# Altium PCB CW308_PCB.PcbDoc (part 1 of 2)
Units mil, origin at the board's own origin, x right, y up, seen from the top; angles counter-clockwise.
Board outline 6000 x 3900 mil, 4 copper layers (Component Side, Ground Plane, Internal Signal 3, Solder Side), stack 33.234 mil thick; 176 components, 106 nets, 718 pads, 307 vias.
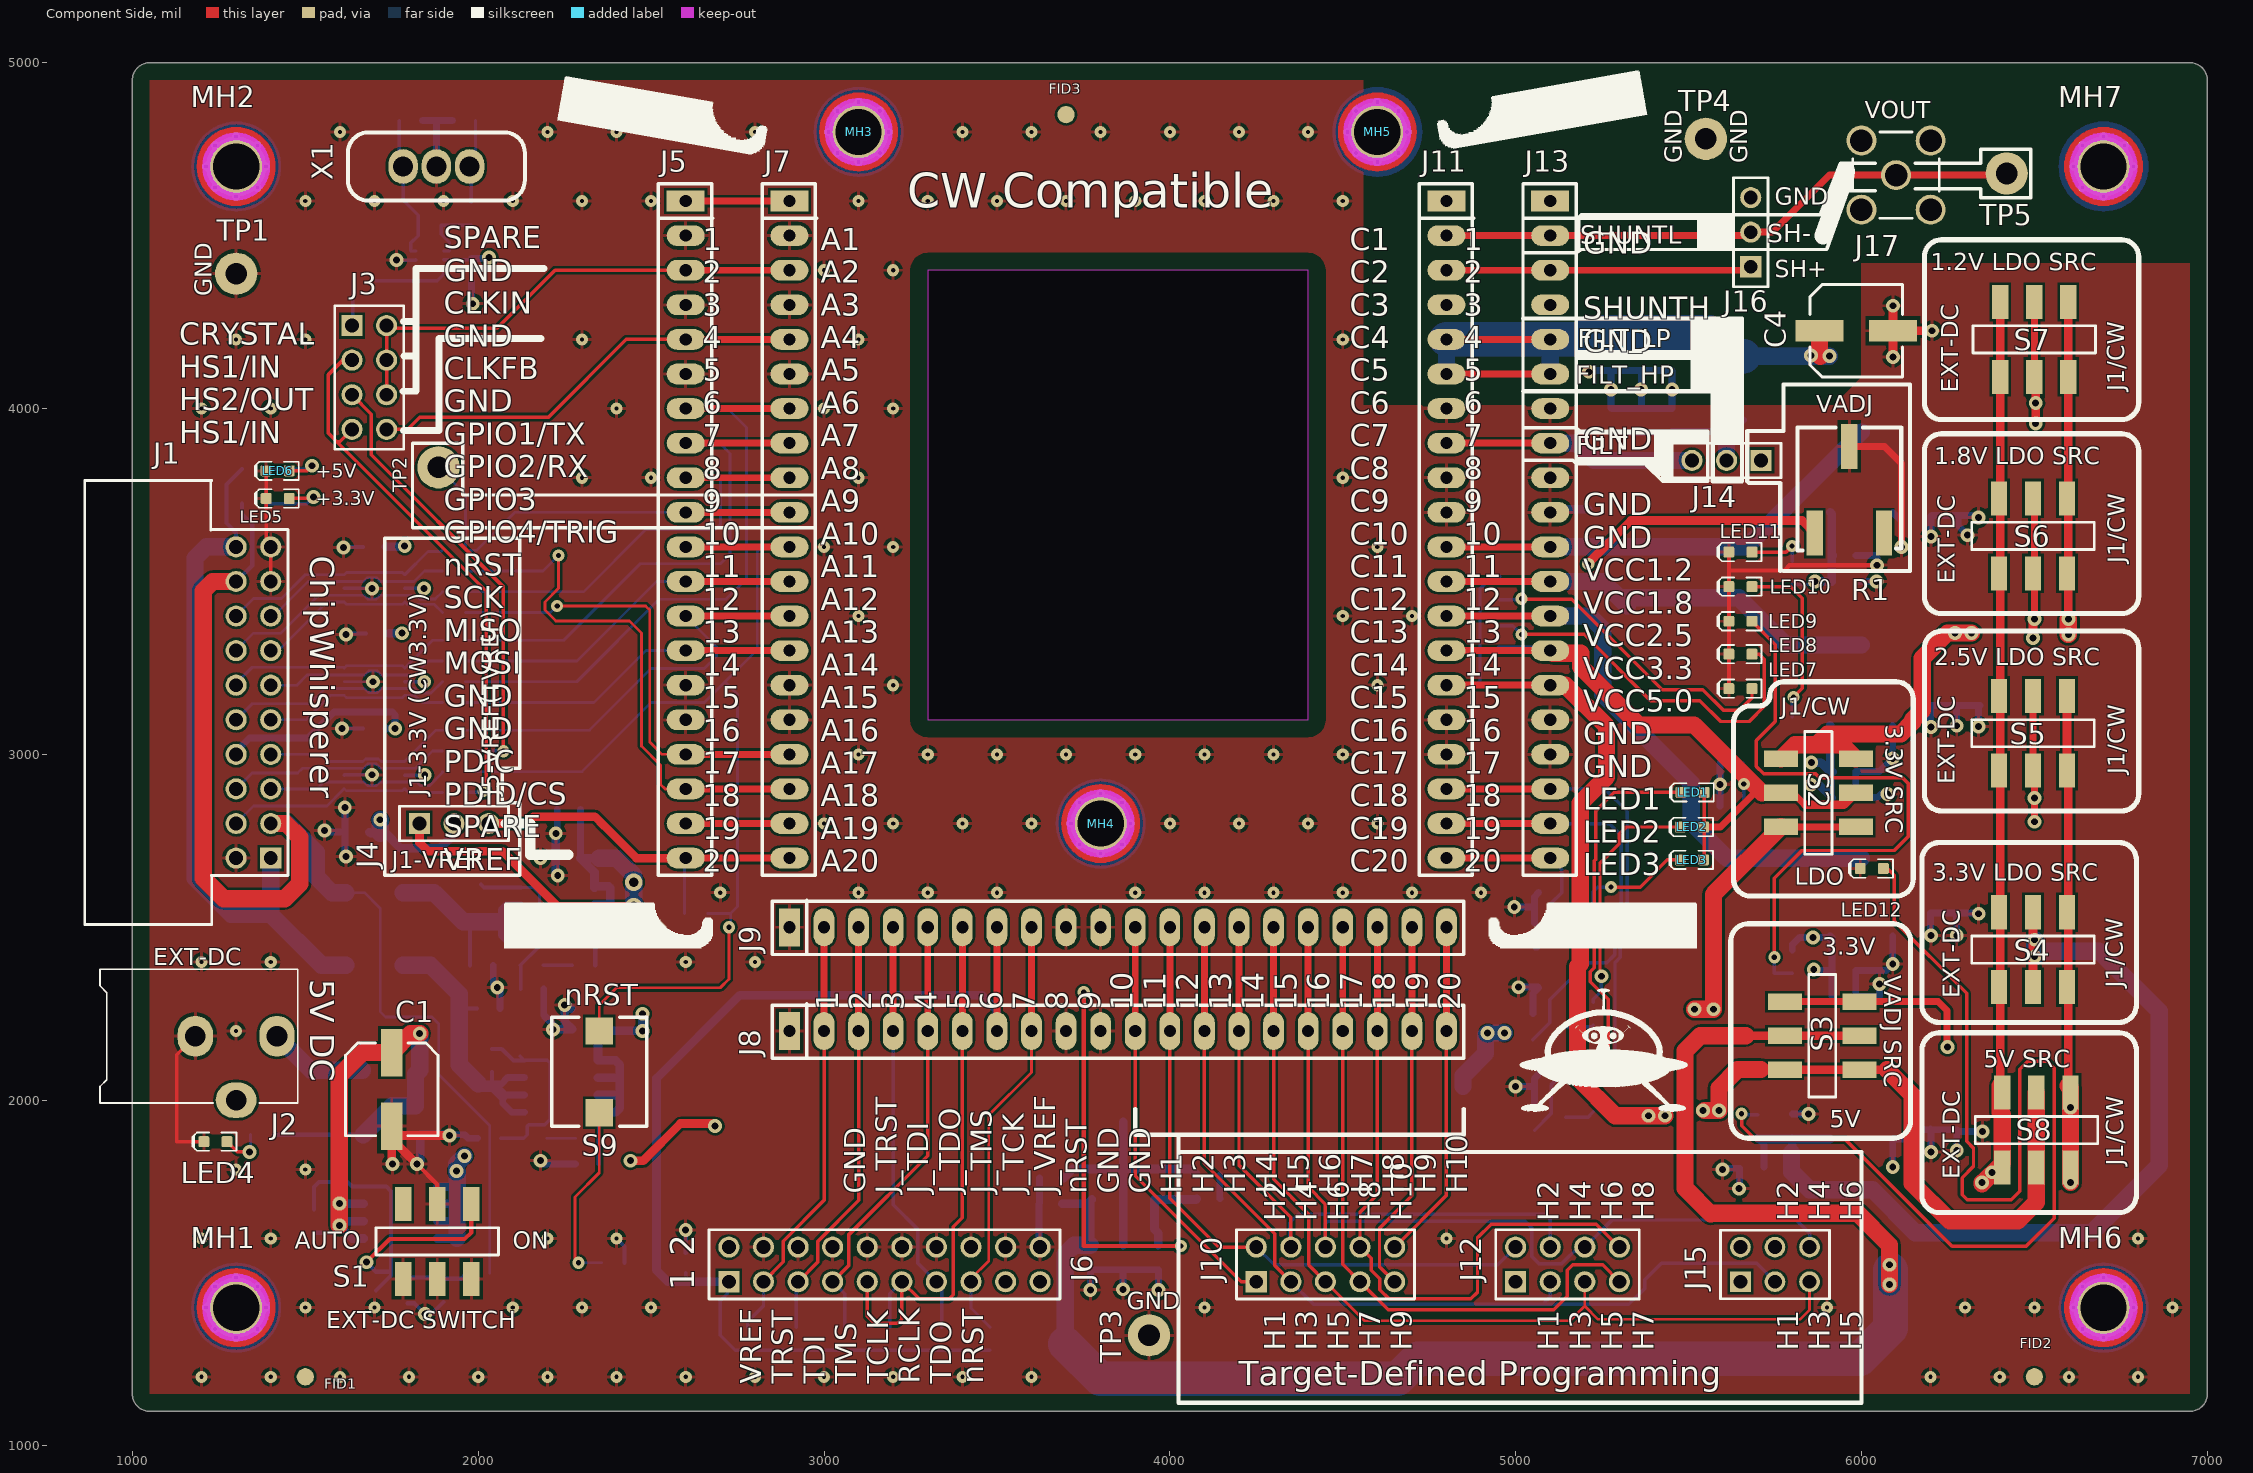
[diagram p0: Component Side view]
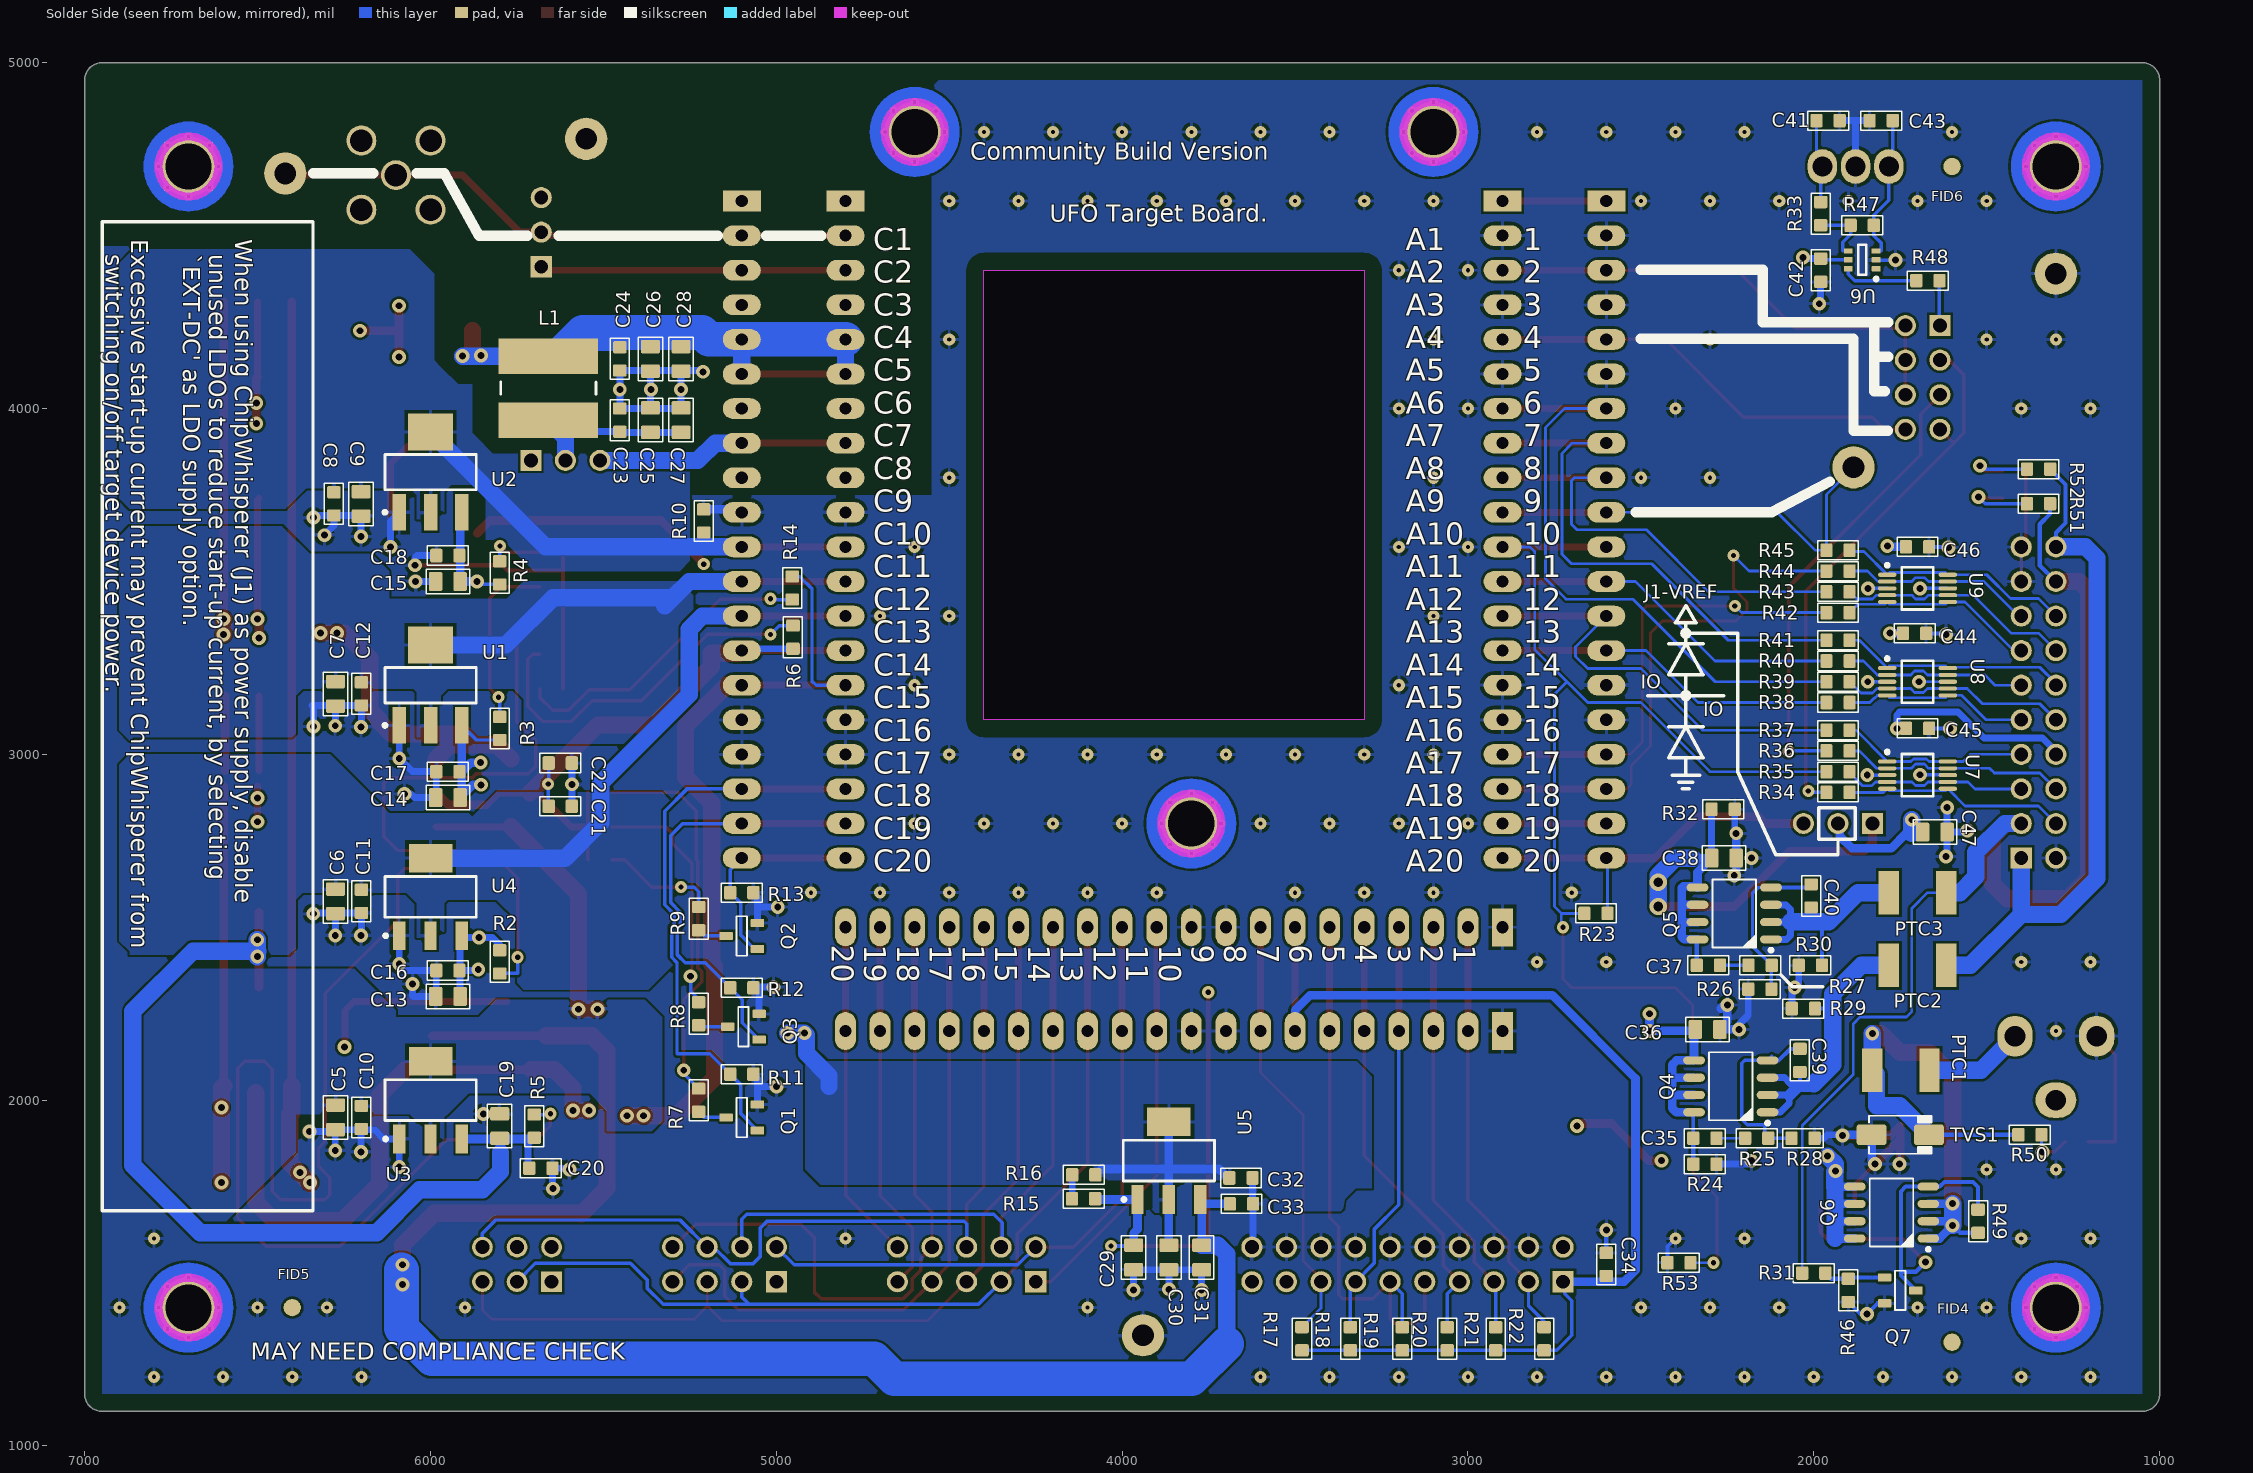
[diagram p1: Solder Side view, seen from below]
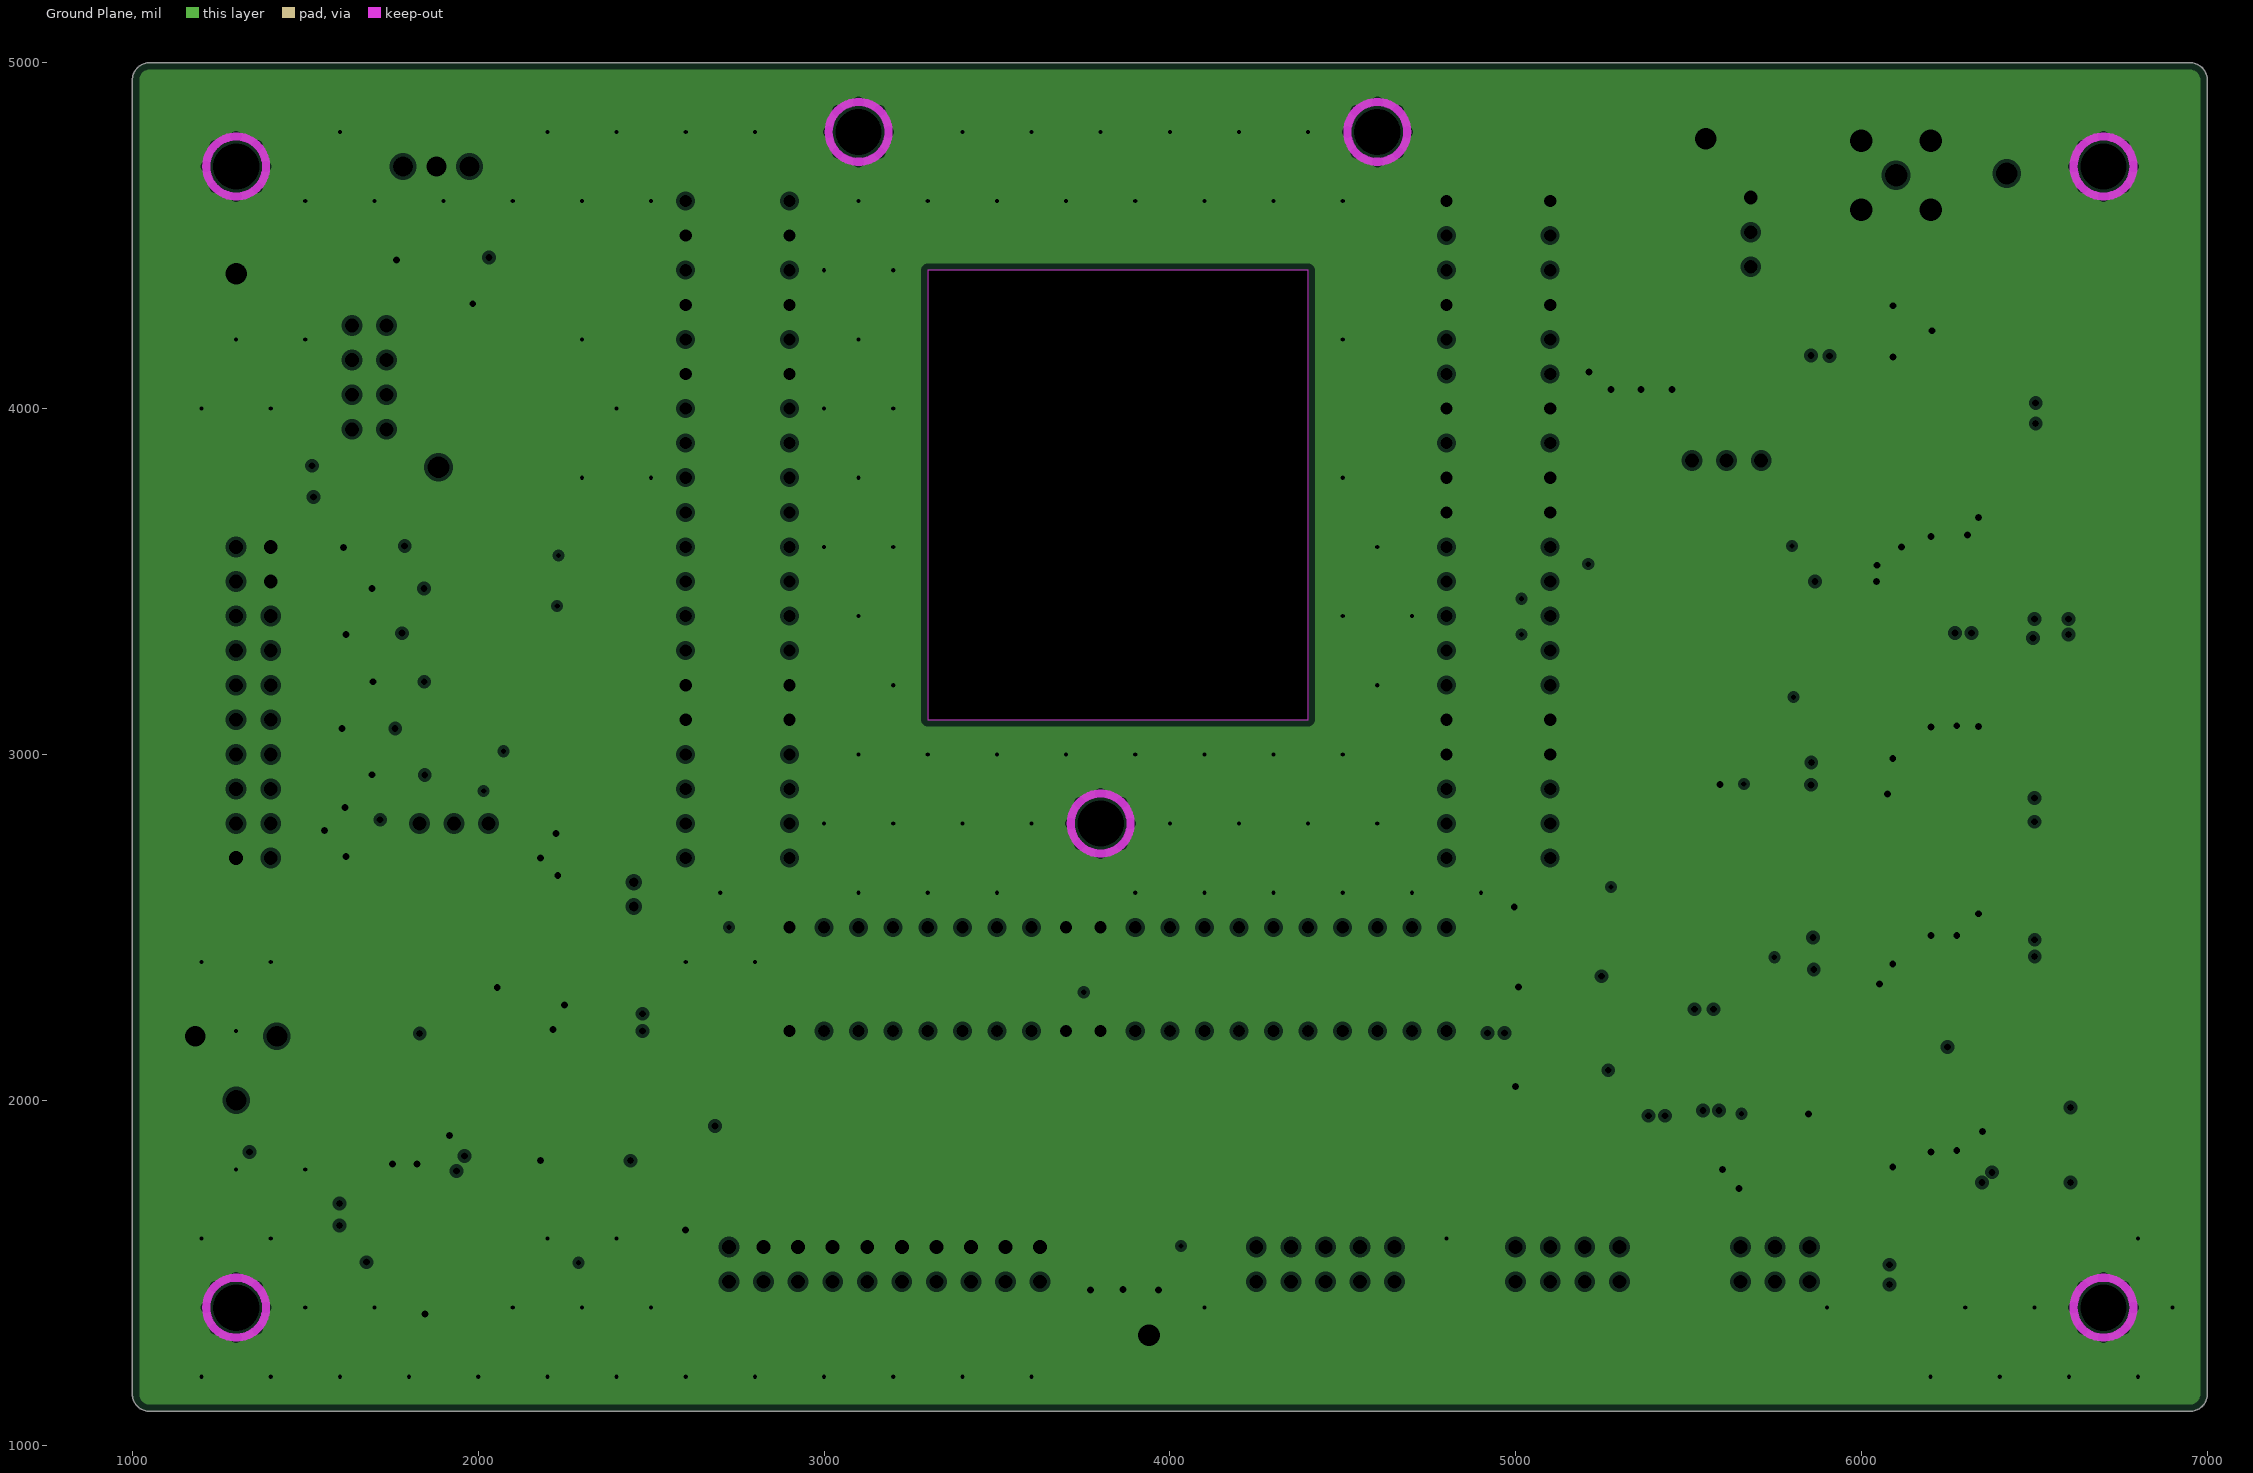
[diagram p2: Ground Plane, clearances drawn from the general rule]
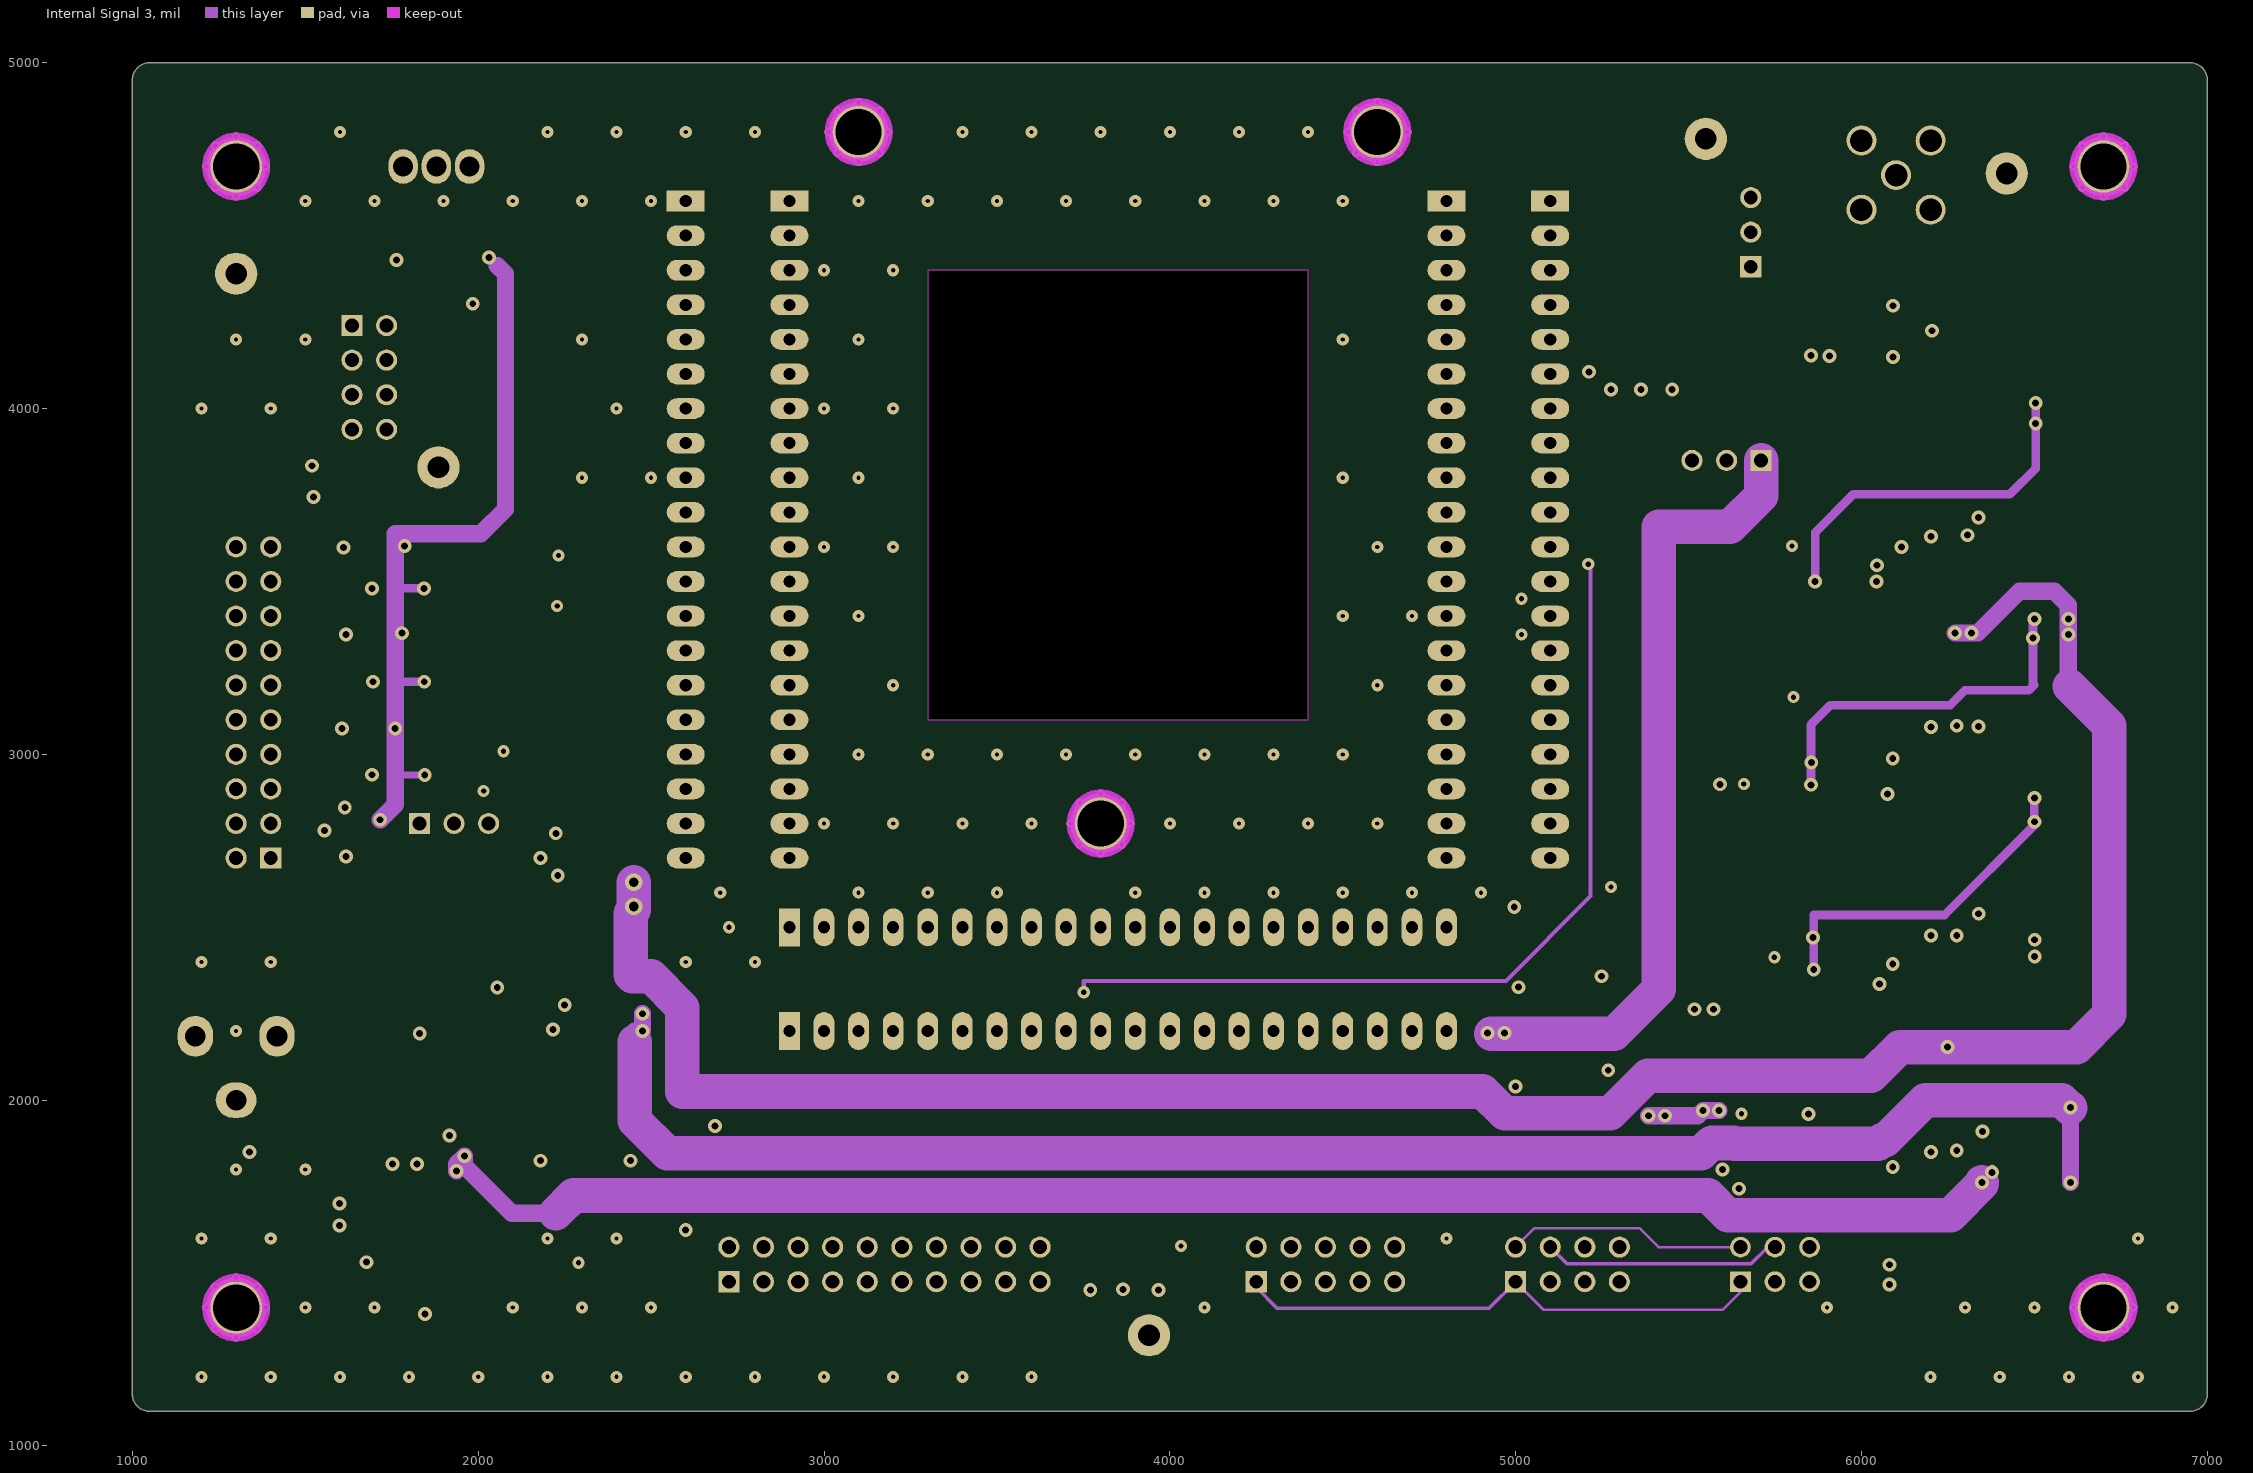
[diagram p3: Internal Signal 3]

## Layer stack, top to bottom
Top Solder: solder mask 0.4, Solder Resist, Dk 3.5
Component Side: signal copper 1.4
Dielectric 1: core 12.6, FR-4, Dk 4.8
Ground Plane: plane copper 1.417, net GND
Dielectric 3: prepreg 5, Dk 4.2
Internal Signal 3: signal copper 1.417
Dielectric 4: core 10, Dk 4.2
Solder Side: signal copper 1.4
Bottom Solder: solder mask 0.4, Solder Resist, Dk 3.5

## Board outline
1000,1150 1000,4950 cw(c1050,4950) 1050,5000 6950,5000 cw(c6950,4950) 7000,4950 7000,1150 cw(c6950,1150) 6950,1100 1050,1100 cw(c1050,1150)
cut-out: 4400,3100 4400,4400 3300,4400 3300,3100

## Design rules (kind name [scope] priority, off if disabled: settings)
BoardOutlineClearance BoardOutlineClearance_IgnoreTopOverlay [OnLayer('Top Overlay')] p1: gap=0 ignorepadtopadclearanceinfootprint=FALSE except(50: Poly-SplitContinuation)
BoardOutlineClearance [All] p2: gap=10 ignorepadtopadclearanceinfootprint=FALSE except(0: Arc-SplitContinuation Track-SplitContinuation SMDPad-SplitContinuation THPad-SplitContinuation Via-SplitContinuation Fill-SplitContinuation Region-SplitContinuation Text-SplitContinuation; 50: Poly-OutlineEdge Poly-CavityEdge Poly-CutoutEdge Poly-SplitBarrior Poly-SplitContinuation)
Clearance [All] p1: gap=7 ignorepadtopadclearanceinfootprint=FALSE except(0: Arc-Hole Track-Hole SMDPad-Hole THPad-Hole Via-Hole Fill-Hole Poly-Hole Region-Hole Text-Hole)
HoleSize [All] p1: absolutevalues=TRUE maxlimit=140 minlimit=11.8 maxpercent=80.000 minpercent=20.000
MinimumSolderMaskSliver [All] p1: minsoldermaskwidth=8
PlaneClearance [All] p1: clearance=10
PlaneConnect [All] p1: planeconnectstyle=Relief reliefexpansion=20 reliefentries=4 reliefconductorwidth=10 reliefairgap=10
PolygonConnect [All] p1: connectstyle=Relief reliefconductorwidth=10 reliefentries=4 polygonreliefangle="90 Angle" airgapwidth=10
RoutingVias [All] p1: holewidth=20 width=40 viastyle="Through Hole" minholewidth=15 minwidth=35 maxholewidth=50 maxwidth=100
ShortCircuit MH_IgnoreShort [InPadClass('MH')] p1: allowed=TRUE
ShortCircuit [All] p2: allowed=FALSE
SilkToSilkClearance [All] p1: silktosilkclearance=0
SilkToSolderMaskClearance [IsPad] p1: minsilkscreentomaskgap=1 clearancetoexposedcopper=TRUE
SolderMaskExpansion [All] p1: expansion=4 istentingtop=FALSE
Width [All] p1: maxlimit=100 minlimit=7 preferedwidth=10
23 further rules are at their usual default settings.

## Classes and differential pairs
component class CW308_Connectors: C1 C35 C36 C37 C38 C39 C40 C44 C45 C46 C47 J1 J2 J4 LED4 LED5 LED6 PTC1 PTC2 PTC3 Q4 Q5 Q6 Q7 R24 R25 R26 R27 R28 R29 R30 R31 R32 R34 R35 R36 R37 R38 R39 R40 R41 R42 R43 R44 R45 R46 R49 R50 R51 R52 S1 TP2 TVS1 U7 U8 U9
component class CW308_Power: C5 C6 C7 C8 C9 C10 C11 C12 C13 C14 C15 C16 C17 C18 C19 C20 C29 C30 C31 C32 C33 LED7 LED8 LED9 LED10 LED11 LED12 R1 R2 R3 R4 R5 R6 R10 R14 R15 R16 S2 S3 S4 S5 S6 S7 S8 S?1 U1 U2 U3 U4 U5
component class CW308_TargetBoard: C4 C21 C22 C23 C24 C25 C26 C27 C28 C34 J5 J6 J7 J8 J9 J10 J11 J12 J13 J14 J15 J16 J17 L1 LED1 LED2 LED3 MH3 MH4 MH5 Q1 Q2 Q3 R7 R8 R9 R11 R12 R13 R17 R18 R19 R20 R21 R22 R23 R53 S9 TP5
component class CW308_Mechanical: FID1 FID2 FID3 FID4 FID5 FID6 MH1 MH2 MH6 MH7 TP1 TP3 TP4
component class CW308_Clock: C41 C42 C43 J3 R33 R47 R48 U6 X1
pad class MH: MH1-MOUNT MH2-MOUNT MH3-MOUNT MH4-MOUNT MH5-MOUNT MH6-MOUNT MH7-MOUNT

## Components (designator, comment, footprint, x,y, rotation, side; value= is the part's Value field where it differs from the comment)
C1 "UUD1A151MCL1GS" NIC-CAPA2-6.3X5.8_V 1750,2031.3 r270 top
C4 "UUD1A151MCL1GS" NIC-CAPA2-6.3X5.8_V 5985,4225 r0 top
C5 "approved sub OK" CAPC2012X135N 6275,1950 r270 bottom
C6 "approved sub OK" CAPC2012X135N 6275,2575 r270 bottom
C7 "approved sub OK" CAPC2012X135N 6275,3175 r270 bottom
C8 "approved sub OK" CAPC1608X90N 6279.53,3724.41 r270 bottom
C9 "approved sub OK" CAPC2012X135N 6200.79,3724.41 r270 bottom
C10 "approved sub OK" CAPC1608X90N 6200,1950 r270 bottom
C11 "approved sub OK" CAPC1608X90N 6200,2575 r270 bottom
C12 "approved sub OK" CAPC1608X90N 6200,3175 r270 bottom
C13 "approved sub OK" CAPC2012X135N 5950,2300 r0 bottom
C14 "approved sub OK" CAPC2012X135N 5950,2875 r0 bottom
C15 "approved sub OK" CAPC2012X135N 5950,3500 r0 bottom
C16 "approved sub OK" CAPC1608X90N 5950,2375 r0 bottom
C17 "approved sub OK" CAPC1608X90N 5950,2950 r0 bottom
C18 "approved sub OK" CAPC1608X90N 5950,3575 r0 bottom
C19 "approved sub OK" CAPC2012X135N 5800,1925 r90 bottom
C20 "approved sub OK" CAPC1608X90N 5681.1,1803.15 r180 bottom
C21 "approved sub OK" CAPC1608X90N 5625,2850 r180 bottom
C22 "approved sub OK" CAPC1608X90N 5625,2975 r180 bottom
C23 "approved sub OK" CAPC1608X90N 5452.76,3966.54 r90 bottom
C24 "approved sub OK" CAPC1608X90N 5452.76,4143.7 r270 bottom
C25 "approved sub OK" CAPC2012X135N 5364.17,3966.54 r90 bottom
C26 "approved sub OK" CAPC2012X135N 5364.17,4143.7 r270 bottom
C27 "approved sub OK" CAPC2012X135N 5275.59,3966.54 r90 bottom
C28 "approved sub OK" CAPC2012X135N 5275.59,4143.7 r270 bottom
C29 "approved sub OK" CAPC2012X135N 3967,1545 r270 bottom
C30 "approved sub OK" CAPC2012X135N 3865,1545 r270 bottom
C31 "approved sub OK" CAPC2012X135N 3770,1545 r270 bottom
C32 "approved sub OK" CAPC1608X90N 3656.54,1775 r180 bottom
C33 "approved sub OK" CAPC1608X90N 3655,1700 r180 bottom
C34 "approved sub OK" CAPC1608X90N 2600,1525 r90 bottom
C35 "approved sub OK" CAPC1608X90N 2315,1890 r180 bottom
C36 "approved sub OK" CAPC2012X135N 2307.09,2204.72 r180 bottom
C37 "approved sub OK" CAPC1608X90N 2305,2390 r180 bottom
C38 "approved sub OK" CAPC2012X135N 2260,2700 r180 bottom
C39 "approved sub OK" CAPC1608X90N 2040,2115 r90 bottom
C40 "approved sub OK" CAPC1608X90N 2007.87,2590.55 r90 bottom
C41 "27p" CAPC1608X90N 1958.66,4832.68 r180 bottom
C42 "approved sub OK" CAPC1608X90N 1980,4400 r270 bottom
C43 "27p" CAPC1608X90N 1805.12,4832.68 r0 bottom
C44 "approved sub OK" CAPC1608X90N 1708.46,3350 r180 bottom
C45 "approved sub OK" CAPC1608X90N 1700,3075 r180 bottom
C46 "approved sub OK" CAPC1608X90N 1700,3600 r180 bottom
C47 "approved sub OK" CAPC2012X135N 1650,2775 r180 bottom
FID1 "FIDU-ROUND-1.0MM" FIDU-ROUND-1.0mm 1500,1200 r90 top
FID2 "FIDU-ROUND-1.0MM" FIDU-ROUND-1.0mm 6500,1200 r90 top
FID3 "FIDU-ROUND-1.0MM" FIDU-ROUND-1.0mm 3700,4850 r90 top
FID4 "FIDU-ROUND-1.0MM" FIDU-ROUND-1.0mm 1600,1300 r90 bottom
FID5 "FIDU-ROUND-1.0MM" FIDU-ROUND-1.0mm 6400,1400 r90 bottom
FID6 "FIDU-ROUND-1.0MM" FIDU-ROUND-1.0mm 1600,4700 r90 bottom
J1 "N2520-5002RB" NAE-PCB-CW-1000-0001-01 1400,2700 r90 top
J2 "CONN_PWR_JACK_2.1x5.5mm" CONN_PWR_JACK_2.1x5.5mm 878.74,2185.04 r90 top
J3 "67996-208HLF" SMTC-MTSW-104-12-X-D-006 1635,4240 r270 top
J4 "68000-203HLF" SMTC-TSW-103-07-X-S 1830,2800 r0 top
J5 "20-Pin Header" 801-87-020-10-001101 2600,4600 r0 top locked
J6 "67996-220HLF" SMTC-MTSW-110-22-X-D-023 2725,1475 r0 top
J7 "20-Pin Header" 801-87-020-10-001101 2900,4600 r0 top locked
J8 "20-Pin Header" 801-87-020-10-001101 2900,2200 r90 top locked
J9 "20-Pin Header" 801-87-020-10-001101 2900,2500 r90 top locked
J10 "67996-210HLF" SMTC-MTSW-105-07-X-D-230 4250,1475 r0 top
J11 "20-Pin Header" 801-87-020-10-001101 4800,4600 r0 top locked
J12 "67996-208HLF" SMTC-MTSW-104-12-X-D-006 5000,1475 r0 top
J13 "20-Pin Header" 801-87-020-10-001101 5100,4600 r0 top
J14 "68000-203HLF" SMTC-TSW-103-07-X-S 5710,3850 r180 top
J15 "67996-206HLF" SMTC-MTLW-103-06-X-D-180 5650,1475 r0 top
J16 "68000-203HLF" SMTC-TSW-103-07-X-S 5680,4410 r90 top
J17 "5-1814832-1" SMA_VERT_1.65MMHOLE 6100,4675 r0 top
L1 "744062102" WE-TPC-6823-X 5659.45,4059.06 r90 bottom
LED1 "Green" LED-0603-GREEN 5511.54,2890 r180 top
LED2 "Red" LED-0603-RED 5510,2790 r180 top